# KiCad board main.kicad_pcb (continued)
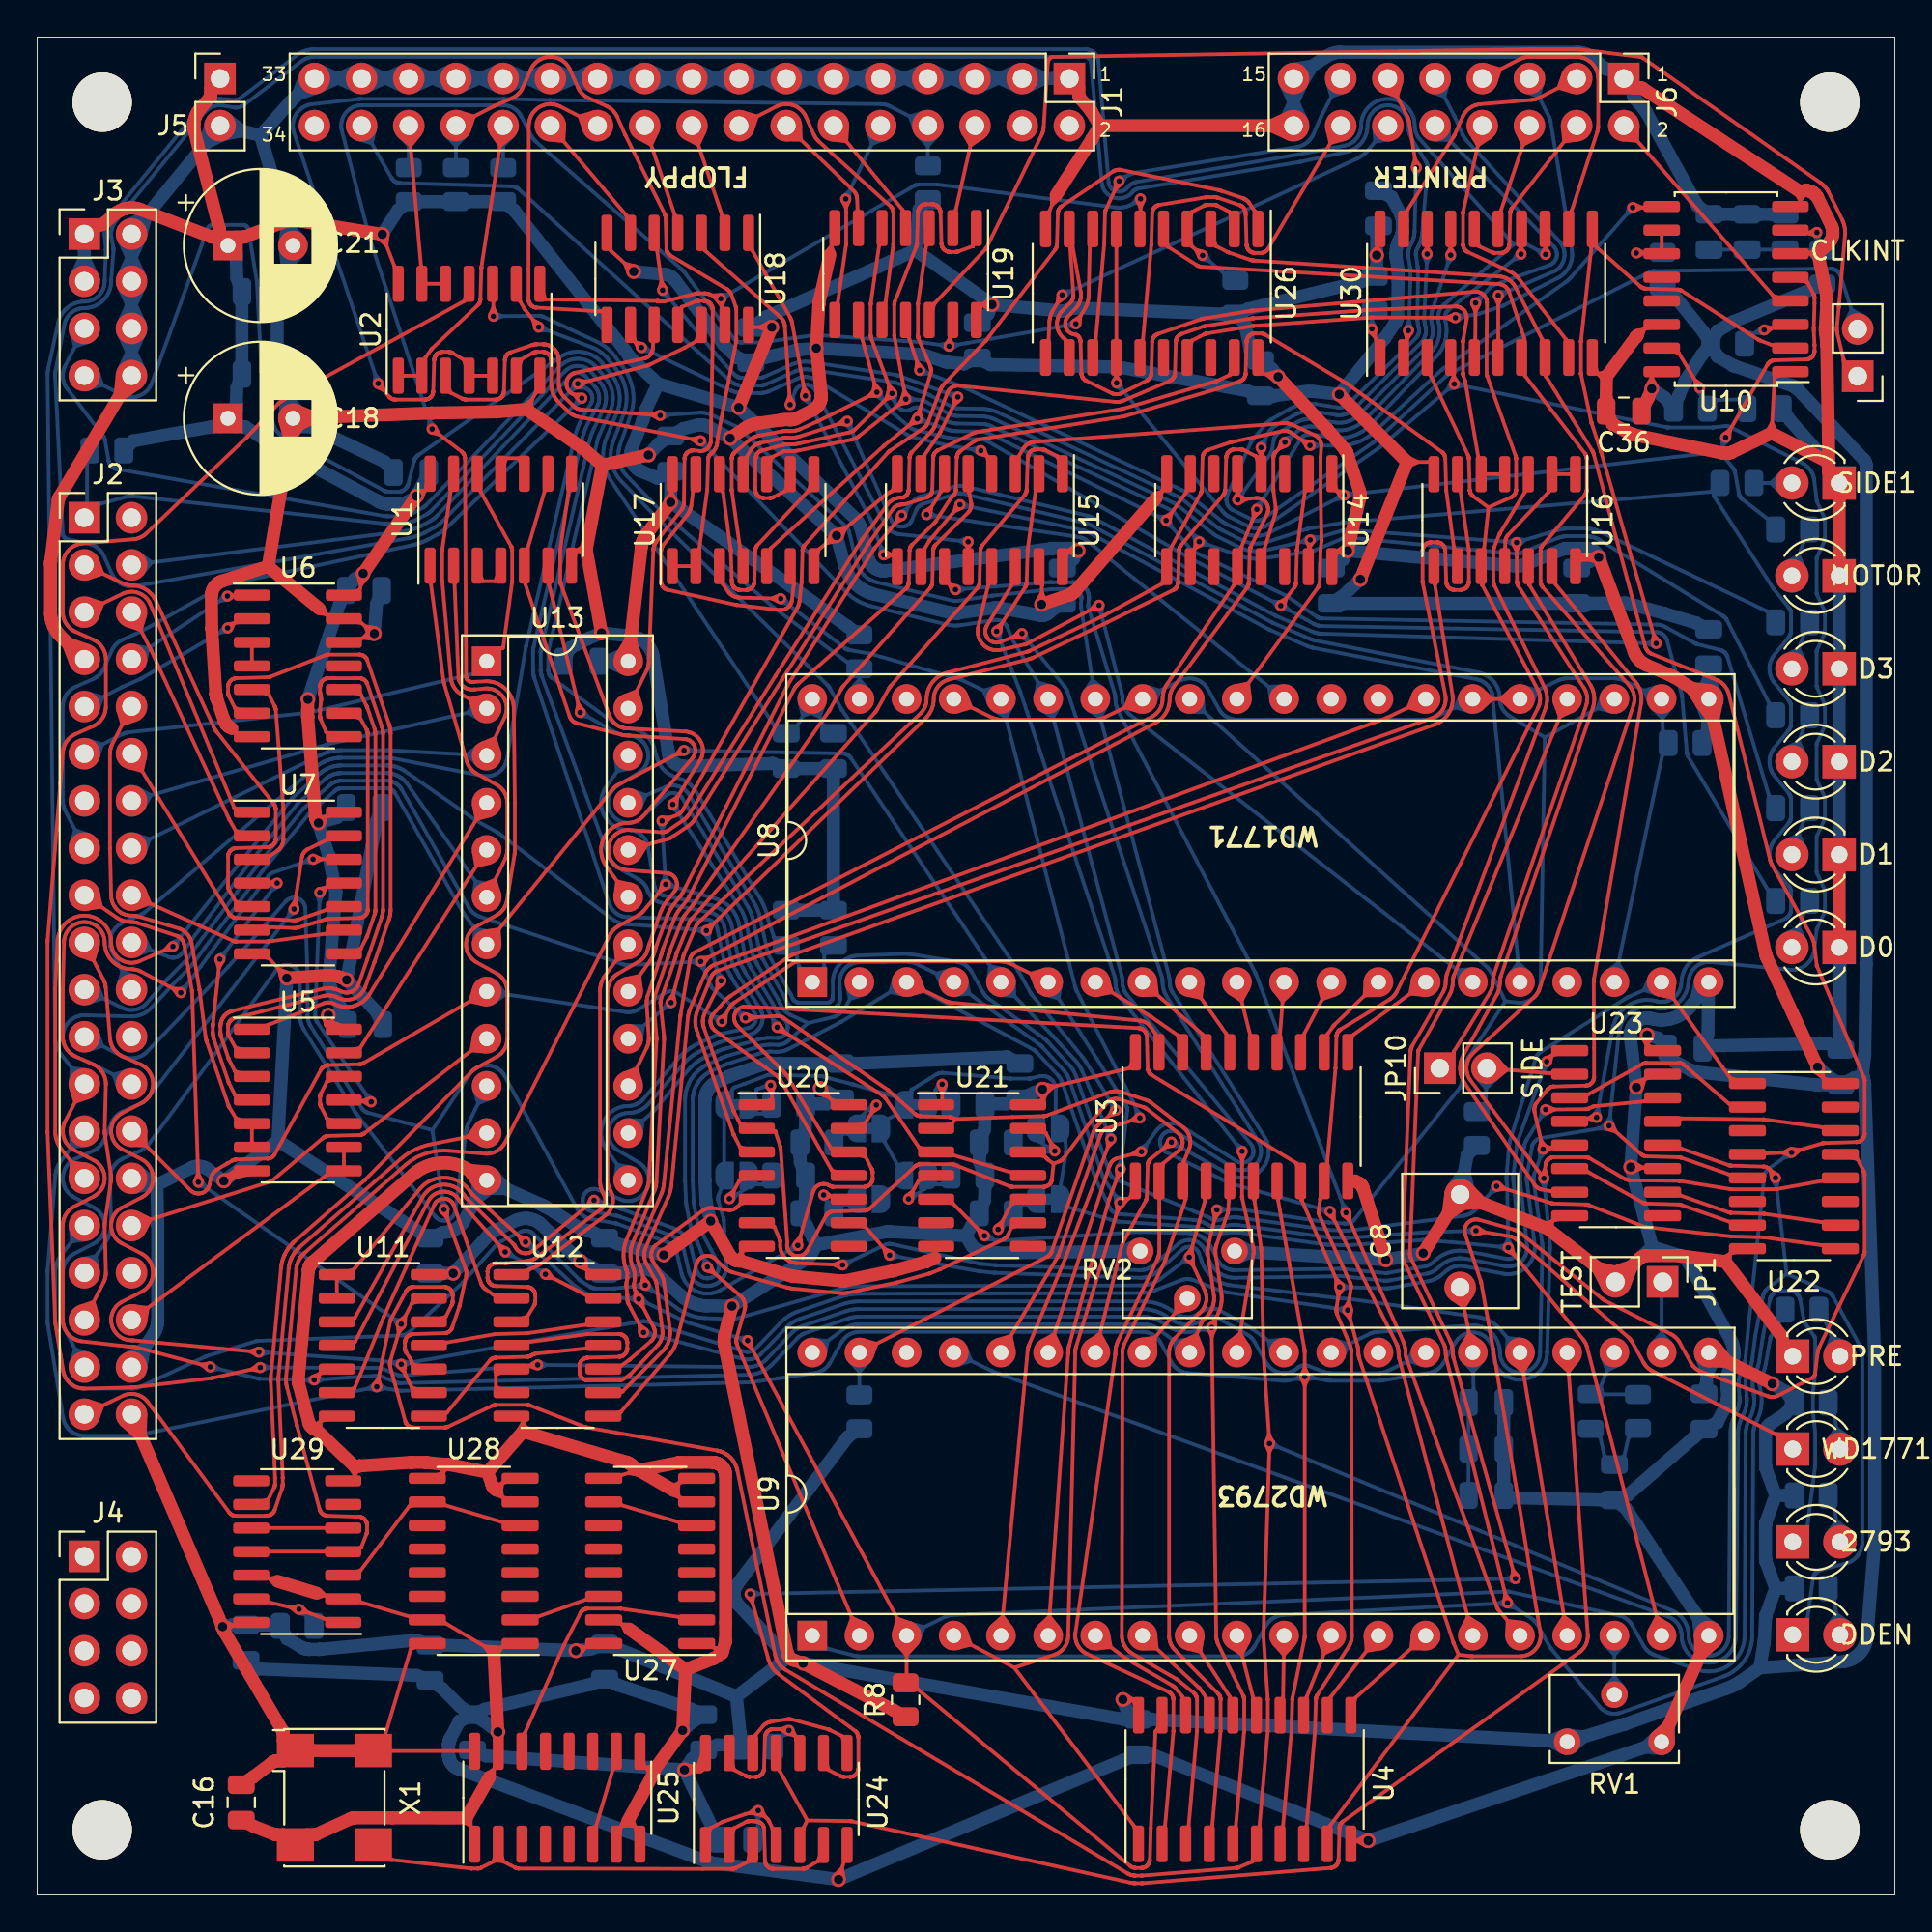
[diagram p0: board, top side]
## Routing (per net, layer and track width the routed paths; a pad name or vN(x,y) marks a point on that pad's centre or on a via; arc(x,y) is an arc through that point) (continued)
Net-(U12-Pad4): length 79.4
  Top w0.2: 31.68,29.15 31.7,29.18 31.71,29.2 31.72,29.22 31.73,29.25 31.74,29.28 31.75,29.29 31.76,29.33 31.76,29.35 31.76,29.37 31.77,29.42 31.77,29.43 31.77,29.73 31.77,29.75 31.76,29.79 31.76,29.81 31.75,29.83 31.74,29.87 31.74,29.89 31.73,29.91 31.71,29.94 31.7,29.96 31.69,29.98 31.67,30.01 31.65,30.03 31.64,30.04 31.62,30.07 31.6,30.08 31.56,30.11 31.54,30.12 31.51,30.14 31.48,30.15 31.45,30.16 31.44,30.17 31.4,30.18 31.38,30.18 31.33,30.19 31.31,30.19 29.66,30.19 29.63,30.19 29.59,30.18 26.5,29.77 26.5,29.76 U12.4 ; U8.27 72.69,63.38 72.65,63.36 72.63,63.35 72.61,63.34 72.58,63.33 36.49,50.08 36.44,50.07 36.4,50.05 36.36,50.02 36.32,50 36.28,49.97 36.24,49.95 36.2,49.92 36.17,49.88 36.13,49.85 36.1,49.81 36.07,49.78 36.04,49.74 36.02,49.7 35.99,49.66 35.97,49.62 35.95,49.57 35.16,47.74 35.14,47.67 35.11,47.61 35.09,47.54 35.07,47.47 35.06,47.4 35.04,47.33 35.03,47.26 35.02,47.19 34.15,38.24 34.13,38.14 34.12,38.05 34.1,37.96 34.08,37.87 34.05,37.78 34.02,37.69 33.99,37.6 33.95,37.51 32.77,34.87 32.75,34.82 32.73,34.77 32.72,34.71 32.7,34.66 32.69,34.6 32.69,34.54 32.68,34.49 32.68,34.43 32.68,34.37 32.69,34.32 32.7,34.26 32.71,34.2 32.72,34.15 32.74,34.1 32.76,34.04 32.79,33.99 32.81,33.94 33.27,33.11 33.28,33.09 33.29,33.07 33.3,33.04 33.31,33.02 33.32,33 33.33,32.97 33.33,32.95 33.34,32.92 33.34,32.89 33.66,30.4 33.66,30.35 33.66,30.29 33.66,30.24 33.66,30.19 33.65,30.14 33.65,30.09 33.64,30.03 33.62,29.98 33.61,29.93 33.59,29.88 33.57,29.84 33.54,29.79 33.52,29.74 33.49,29.7 33.46,29.66 33.42,29.61 33.39,29.58 31.95,28.04 31.93,28.02 31.92,28 31.9,27.99 31.88,27.97 31.86,27.96 31.84,27.95 31.82,27.93 31.8,27.92 31.54,27.76 31.51,27.74 31.48,27.73 31.46,27.72 31.44,27.71 31.4,27.71 31.38,27.7 31.36,27.7 31.32,27.7 31.31,27.7 29.66,27.7 29.63,27.7 29.59,27.7 29.57,27.7 29.55,27.71 29.52,27.72 29.49,27.73 29.47,27.73 29.44,27.75 29.42,27.76 29.4,27.77 29.37,27.79 29.35,27.81 29.34,27.82 29.32,27.85 29.3,27.87 29.27,27.9 29.26,27.93 29.24,27.95 29.23,27.98 29.22,28.01 29.21,28.02 29.21,28.06 29.2,28.08 29.2,28.14 29.2,28.16 29.2,28.46 29.2,28.48 29.2,28.52 29.2,28.55 29.21,28.56 29.22,28.6 29.23,28.62 29.24,28.66 29.26,28.69 29.27,28.71 29.29,28.74 29.31,28.76 29.33,28.78 29.35,28.8 29.37,28.82 29.41,28.85 29.43,28.86 29.47,28.88 29.5,28.89 29.52,28.9 29.56,28.91 29.58,28.91 29.64,28.92 29.65,28.92 31.32,28.97 31.33,28.97 31.37,28.97 31.39,28.97 31.41,28.98 31.45,28.99 31.47,29 31.49,29 31.52,29.02 31.54,29.03 31.56,29.04 31.59,29.06 31.61,29.08 31.62,29.09 31.65,29.12 31.66,29.14 31.68,29.15 ; 74.09,64.63 73.81,63.92 74.54,63.7
Net-(U12-Pad5): length 160.1
  Top w0.2: U2.11 22.99,85.79 22.99,85.79 13.24,80.46 13.2,80.44 13.16,80.41 13.13,80.39 13.09,80.36 13.06,80.34 13.02,80.31 12.99,80.28 12.96,80.25 ; v2(12.01,28.39) 9.45,27.82 9.41,27.82 9.39,27.81 5.21,27.32 5.18,27.32 5.16,27.32 5.13,27.31 5.11,27.31 5.04,27.31 2.57,27.25 2.5,27.25 2.44,27.25 2.37,27.26 2.3,27.27 2.24,27.29 2.18,27.31 2.11,27.33 2.05,27.36 1.99,27.39 1.94,27.42 1.88,27.46 1.83,27.5 1.77,27.54 1.73,27.58 1.68,27.63 1.64,27.68 1.6,27.73 1.56,27.79 1.53,27.85 1.49,27.91 1.47,27.97 1.44,28.03 1.42,28.09 1.41,28.16 1.4,28.22 0.99,30.7 0.98,30.73 0.98,30.77 0.98,30.81 0.97,30.85 0.97,30.89 0.56,41.03 0.56,41.07 0.56,41.11 0.56,51.27 0.56,51.3 0.56,51.33 0.56,51.37 0.56,51.4 0.57,51.43 1.38,61.52 1.39,61.59 1.4,61.65 1.41,61.71 1.43,61.77 1.45,61.83 1.47,61.88 1.5,61.94 1.53,62 1.56,62.05 1.59,62.1 1.63,62.15 1.67,62.2 1.71,62.24 1.76,62.29 1.8,62.33 1.85,62.37 1.9,62.4 1.96,62.43 2.01,62.46 2.07,62.49 3.01,62.91 3.07,62.94 3.13,62.97 3.18,63 3.23,63.04 3.28,63.08 3.33,63.12 3.37,63.16 3.42,63.21 3.46,63.26 3.5,63.31 3.53,63.37 3.56,63.42 3.59,63.48 3.62,63.54 3.64,63.6 3.66,63.66 3.67,63.72 3.68,63.78 3.69,63.84 3.7,63.91 3.7,63.97 3.7,66.51 3.7,66.57 3.69,66.64 3.68,66.7 3.67,66.76 3.66,66.82 3.64,66.88 3.62,66.94 3.59,67 3.56,67.06 3.53,67.11 3.5,67.17 3.46,67.22 3.42,67.27 3.37,67.32 3.33,67.36 3.28,67.4 3.23,67.44 3.18,67.48 3.13,67.51 3.07,67.54 3.01,67.57 2.07,67.99 2.01,68.02 1.95,68.05 1.9,68.08 1.85,68.12 1.8,68.16 1.75,68.2 1.71,68.24 1.66,68.29 1.62,68.34 1.58,68.39 1.55,68.45 1.52,68.5 1.49,68.56 1.46,68.62 1.44,68.68 1.42,68.74 1.41,68.8 1.4,68.86 1.39,68.92 1.38,68.99 1.38,69.05 1.38,71.59 1.38,71.66 1.39,71.72 1.4,71.79 1.41,71.85 1.43,71.92 1.45,71.98 1.47,72.04 1.5,72.1 1.53,72.16 1.56,72.22 1.6,72.27 1.64,72.33 1.69,72.38 1.73,72.42 1.78,72.47 1.83,72.51 1.89,72.55 1.94,72.58 2,72.62 2.06,72.65 2.12,72.67 2.18,72.69 2.25,72.71 2.31,72.73 2.38,72.74 2.44,72.75 5.18,72.97 5.23,72.98 5.29,72.99 5.34,73 5.4,73.01 5.45,73.03 5.5,73.05 5.56,73.07 5.61,73.1 5.66,73.12 5.71,73.15 5.75,73.18 5.8,73.22 5.84,73.25 5.88,73.29 11.28,78.46 11.3,78.47 12.96,80.25 ; 26.51,28.47 U12.5 24.69,28.01 24.69,27.34 U12.6 ; 26.51,28.47 26.88,28.34 ; 26.51,28.47 v2(26.94,28.53) ; 26.51,28.47 26.83,28.69 ; 11.96,28.19 11.54,28.28 11.89,28.55
  Bottom w0.2: 12.09,28.57 12.49,28.39 12.09,28.21 ; 26.84,28.71 26.46,28.49 26.87,28.34 ; U9.27 72.69,28.2 72.64,28.18 72.59,28.16 72.55,28.14 72.5,28.13 72.45,28.11 72.4,28.1 72.35,28.1 72.3,28.09 72.25,28.09 72.2,28.08 69.66,28.08 69.62,28.09 69.57,28.09 69.53,28.09 69.49,28.1 69.44,28.11 69.4,28.12 69.36,28.13 69.31,28.14 69.27,28.16 68.45,28.46 68.42,28.47 68.39,28.48 68.35,28.49 68.32,28.5 68.29,28.5 68.26,28.5 68.23,28.5 68.19,28.5 68.16,28.5 68.13,28.49 68.1,28.49 68.07,28.48 68.04,28.47 68.01,28.46 67.98,28.44 67.95,28.43 67.92,28.41 67.89,28.4 67.87,28.38 67.79,28.32 67.74,28.28 67.68,28.24 67.63,28.21 67.57,28.18 67.51,28.16 67.44,28.14 67.38,28.12 67.32,28.11 67.25,28.1 67.19,28.09 67.12,28.09 67.06,28.09 66.99,28.1 66.93,28.11 66.87,28.12 66.8,28.14 66.74,28.16 66.68,28.18 66.62,28.21 66.56,28.24 66.51,28.28 66.46,28.31 66.41,28.35 66.36,28.4 66.31,28.44 66.27,28.49 66.23,28.54 66.19,28.6 66.16,28.65 65.55,29.74 65.52,29.78 65.5,29.82 65.47,29.86 65.44,29.9 65.4,29.94 65.37,29.98 65.33,30.01 65.29,30.05 65.26,30.08 65.21,30.11 65.17,30.13 65.13,30.16 63.53,31.07 63.5,31.09 63.47,31.1 63.44,31.11 63.41,31.12 63.37,31.13 63.34,31.14 63.31,31.14 63.28,31.15 63.24,31.15 63.21,31.15 63.18,31.15 63.15,31.14 63.11,31.14 63.08,31.13 63.05,31.12 63.02,31.11 62.99,31.1 62.96,31.09 62.93,31.07 62.9,31.06 62.67,30.91 62.6,30.87 62.53,30.83 62.46,30.8 62.38,30.77 62.3,30.75 62.23,30.73 62.15,30.71 62.07,30.7 61.99,30.7 61.91,30.69 61.83,30.7 61.75,30.7 61.67,30.72 61.59,30.73 61.51,30.75 61.43,30.78 61.36,30.81 61.29,30.84 61.21,30.88 61.15,30.92 60.77,31.16 60.67,31.22 60.58,31.27 60.48,31.32 60.37,31.37 60.27,31.41 60.16,31.44 60.05,31.47 59.95,31.49 59.84,31.51 59.72,31.52 59.61,31.53 59.5,31.54 44.26,31.54 44.17,31.53 44.07,31.53 43.97,31.52 43.88,31.5 43.78,31.49 43.69,31.46 43.6,31.44 43.51,31.41 41.23,30.63 41.17,30.61 41.11,30.59 41.05,30.56 40.99,30.53 40.93,30.49 40.88,30.46 40.82,30.42 40.77,30.38 40.72,30.34 40.67,30.3 40.63,30.25 39.28,28.85 39.22,28.79 39.17,28.75 39.11,28.7 39.05,28.66 38.99,28.62 38.93,28.58 38.86,28.55 38.8,28.52 38.73,28.49 38.66,28.47 38.59,28.45 38.52,28.43 38.45,28.42 38.38,28.41 38.3,28.41 38.23,28.41 v2(26.94,28.53) 19.65,27.96 19.62,27.96 19.6,27.96 19.57,27.96 19.54,27.96 19.52,27.96 19.49,27.96 19.47,27.97 19.44,27.98 19.42,27.98 19.39,27.99 19.37,28 18.67,28.29 18.63,28.31 18.59,28.32 18.55,28.33 18.5,28.34 18.46,28.35 18.42,28.36 18.37,28.36 18.33,28.37 18.28,28.37 v2(12.01,28.39) ; 74.09,29.45 73.81,28.74 74.54,28.52 ; 27.02,28.35 27.42,28.53 27.03,28.71
Net-(U12-Pad8): length 29.5
  Top w0.2: U12.8 31.43,26 31.43,26.01 34.05,29.08 34.1,29.15 34.15,29.21 34.19,29.28 34.24,29.35 34.28,29.43 34.31,29.5 34.35,29.58 34.38,29.66 34.4,29.73 34.43,29.81 35.49,33.95 35.5,33.98 35.51,34.02 35.52,34.05 35.54,34.08 35.56,34.12 35.58,34.15 35.6,34.18 35.62,34.2 35.65,34.23 35.67,34.25 35.7,34.28 35.73,34.3 35.76,34.32 35.8,34.34 35.83,34.35 35.86,34.37 35.9,34.38 35.93,34.39 35.97,34.4 36,34.4 36.04,34.4 36.08,34.41 36.11,34.4 36.15,34.4 36.19,34.4 36.22,34.39 36.26,34.38 36.29,34.37 36.32,34.35 36.36,34.34 36.39,34.32 36.42,34.3 36.45,34.28 36.48,34.26 36.51,34.23 36.93,33.81 36.95,33.79 36.98,33.77 37.01,33.74 37.04,33.72 37.07,33.7 37.1,33.67 37.15,33.64 37.19,33.62 37.23,33.59 37.28,33.57 37.32,33.55 37.37,33.53 37.42,33.52 37.46,33.5 40.32,32.71 40.38,32.69 40.45,32.67 40.52,32.66 40.59,32.65 40.66,32.64 40.72,32.63 43.21,32.39 43.27,32.39 43.33,32.39 43.39,32.39 43.44,32.39 43.5,32.39 43.56,32.4 43.61,32.41 43.67,32.42 46.2,32.94 46.24,32.95 46.29,32.97 47.99,33.43 48.02,33.44 48.04,33.45 48.07,33.46 48.09,33.47 48.12,33.48 48.57,33.66 48.61,33.67 51.99,35.27 52.02,35.28 52.04,35.3 52.07,35.32 52.1,35.33 52.12,35.35 52.14,35.37 52.17,35.4 52.19,35.42 52.21,35.44 52.23,35.47 52.25,35.5 52.26,35.52 52.28,35.55 52.29,35.58 52.43,35.9 52.43,35.91 U21.9
Net-(U12-Pad9): length 16.4
  Top w0.2: U20.5 37.83,37.18 37.83,37.18 37.71,37.05 37.68,37.03 37.66,37 37.63,36.98 37.6,36.96 37.58,36.95 37.55,36.93 37.52,36.92 37.48,36.9 37.45,36.89 37.42,36.88 37.39,36.87 37.36,36.87 37.32,36.86 37.29,36.86 37.26,36.86 37.22,36.86 37.19,36.87 36.35,36.97 36.31,36.98 36.27,36.98 36.24,36.98 36.2,36.98 36.17,36.97 36.13,36.97 36.09,36.96 36.06,36.95 36.03,36.94 35.99,36.93 35.96,36.91 35.93,36.9 35.89,36.88 35.86,36.86 35.83,36.84 33.33,34.99 33.3,34.96 33.27,34.94 33.24,34.91 33.22,34.88 33.19,34.85 33.17,34.82 33.15,34.79 33.13,34.76 33.11,34.72 33.1,34.69 33.09,34.65 33.08,34.61 33.07,34.58 33.06,34.54 33.06,34.5 33.05,34.46 33.05,34.42 33.06,34.38 33.06,34.35 33.07,34.31 33.08,34.27 33.09,34.23 33.1,34.2 33.12,34.16 33.13,34.13 33.15,34.1 33.61,33.35 33.63,33.31 33.65,33.27 33.67,33.23 33.68,33.19 33.7,33.15 33.71,33.11 33.72,33.07 33.73,33.03 33.74,32.99 33.75,32.95 34.06,30.45 34.07,30.38 34.07,30.3 34.07,30.22 34.07,30.15 34.06,30.07 34.05,30 34.03,29.92 34.01,29.85 33.98,29.78 33.96,29.71 33.92,29.64 33.89,29.57 33.85,29.5 33.81,29.44 33.76,29.38 33.71,29.32 33.66,29.27 31.53,27.12 31.51,27.1 31.49,27.09 31.47,27.09 31.46,27.09 31.36,27.09 U12.9
Net-(U13-Pad23): length 27.8
  Top w0.2: 31.56,64.52 32.27,64.8 32.49,64.06 ; U13.23 32.81,65.92 32.83,65.96 32.85,66 32.87,66.05 32.88,66.09 32.89,66.14 32.9,66.18 32.91,66.22 32.92,66.27 32.92,66.32 32.93,66.36 33.17,72.38 33.17,72.43 33.18,72.46 33.18,72.48 33.18,72.5 33.19,72.52 33.19,72.54 33.2,72.59 33.21,72.61 33.21,72.63 33.22,72.65 33.23,72.67 33.24,72.68 33.26,72.73 33.27,72.75 33.28,72.77 33.29,72.79 33.3,72.8 33.31,72.82 33.34,72.86 33.36,72.9 34.66,74.52 34.68,74.55 34.7,74.58 34.72,74.61 34.74,74.64 34.75,74.67 34.77,74.71 34.78,74.74 34.79,74.77 34.8,74.81 34.81,74.84 34.81,74.88 34.81,74.92 34.82,74.95 34.85,77.3 34.85,77.34 34.85,77.37 34.86,77.4 34.87,77.44 34.88,77.47 34.9,77.51 ; U18.11 34.7,85.47 34.7,85.48 35.44,85.77 35.46,85.78 35.51,85.79 35.53,85.79 35.58,85.8 35.6,85.8 35.9,85.8 35.93,85.8 35.97,85.79 35.99,85.79 36.01,85.79 36.04,85.78 36.07,85.77 36.11,85.75 36.13,85.74 36.16,85.72 36.19,85.7 36.21,85.68 36.22,85.67 36.24,85.65 36.26,85.62 36.28,85.61 36.3,85.57 36.31,85.55 36.33,85.52 36.34,85.5 36.34,85.47 36.35,85.44 36.36,85.41 36.36,85.39 36.36,85.35 36.36,85.34 36.36,83.69 36.36,83.68 36.26,78.26 36.26,78.23 36.26,78.2 36.25,78.17 36.25,78.13 36.24,78.1 36.23,78.07 36.21,78.04 36.2,78.01 36.18,77.98 36.16,77.96 36.15,77.93 36.12,77.91 36.1,77.88 36.08,77.86 36.05,77.84 36.03,77.82 36,77.8 35.97,77.79 35.94,77.77 35.91,77.76 35.88,77.75 35.85,77.74 35.82,77.73 35.79,77.73 35.75,77.72 35.72,77.72 35.69,77.72 35.66,77.72 35.34,77.76 35.32,77.76 35.29,77.76 35.25,77.76 35.22,77.75 35.2,77.75 35.17,77.74 35.14,77.73 35.1,77.71 35.08,77.7 35.06,77.69 35.03,77.66 35.01,77.65 34.98,77.62 34.96,77.6 34.95,77.58 34.92,77.55 34.91,77.52 34.9,77.51
Net-(U15-Pad2): length 56.4
  Top w0.2: v2(51.65,68.02) 53.2,70.41 53.21,70.43 53.23,70.48 53.24,70.5 53.25,70.52 53.26,70.55 53.26,70.58 53.26,70.6 53.27,70.64 53.31,72.36 53.32,72.42 53.74,75.5 U15.2 ; 64.68,39.94 64.86,39.55 65.05,39.94 ; 64.15,29.75 64.75,30.22 65.17,29.57 ; v2(64.87,40.03) 64.86,39.27 64.86,37.59 64.86,37.57 64.86,37.53 64.87,37.51 64.87,37.5 65.46,34.88 65.47,34.84 65.48,34.79 65.48,34.75 65.48,34.71 65.49,34.66 65.48,34.62 65.48,34.57 65.48,34.53 65.47,34.49 U9.31 ; 51.85,67.99 51.91,68.42 51.54,68.19
  Bottom w0.2: 64.67,39.98 64.57,40.4 64.96,40.2 ; 51.85,68.01 51.82,67.57 51.51,67.87 ; v2(51.65,68.02) 52.92,64.78 52.93,64.74 52.94,64.72 57.99,49.47 58,49.43 58.01,49.39 58.02,49.35 58.03,49.31 58.03,49.26 58.04,49.22 58.04,49.18 58.04,49.13 58.04,49.06 58.05,48.99 58.06,48.92 58.07,48.86 58.08,48.79 58.1,48.72 58.12,48.65 58.15,48.59 58.18,48.52 58.21,48.46 58.24,48.4 58.28,48.34 58.32,48.28 58.36,48.23 v2(64.87,40.03)
Net-(U15-Pad3): length 34.7
  Top w0.2: 65.28,64.45 65.19,65.22 64.44,65.06 ; 68.77,78.58 68.8,78.56 68.83,78.54 68.86,78.53 68.89,78.51 68.91,78.49 68.94,78.46 68.96,78.44 68.98,78.41 69,78.39 69.02,78.36 69.04,78.33 69.06,78.3 69.07,78.27 69.08,78.24 69.1,78.21 69.11,78.18 69.11,78.15 69.12,78.11 69.12,78.08 69.13,78.05 69.13,78.01 69.13,77.98 69.08,77.37 69.08,77.35 69.08,75.65 69.08,75.64 69.14,72.95 69.14,72.92 69.13,72.89 69.13,72.88 69.09,72.41 69.08,72.36 69.04,70.64 69.03,70.62 69.03,70.59 69.03,70.56 69.02,70.54 69.01,70.51 69,70.48 69,70.47 68.98,70.44 68.97,70.41 68.96,70.4 68.94,70.37 U8.31 ; U15.3 52.87,77.49 53.08,77.84 53.1,77.87 53.11,77.9 53.13,77.93 53.16,77.95 53.18,77.98 53.2,78 53.23,78.02 53.25,78.04 53.28,78.06 53.31,78.08 53.33,78.1 53.36,78.12 53.39,78.13 53.42,78.15 53.44,78.15 53.46,78.16 53.48,78.17 53.5,78.18 53.52,78.18 53.56,78.19 53.58,78.2 53.6,78.2 53.62,78.21 53.64,78.21 53.66,78.21 53.72,78.22 67.09,79.21 67.14,79.22 67.18,79.22 67.23,79.21 67.28,79.21 67.32,79.2 67.37,79.19 67.42,79.18 67.46,79.17 67.51,79.16 67.55,79.14 67.59,79.12 68.77,78.58
Net-(U15-Pad4): length 26.1
  Top w0.2: 51.13,77.46 50.98,77.82 ; 51.13,77.46 50.75,77.55 ; 51.13,77.46 U15.4 ; 51.13,77.46 v2(50.8,77.75) ; 32.2,83.58 32.58,83.49 ; 32.2,83.58 32.35,83.22 ; 32.2,83.58 U18.9 ; 32.2,83.58 v2(32.53,83.29)
  Bottom w0.2: 32.53,83.09 32.97,83.09 32.69,83.42 ; v2(32.53,83.29) 37.33,80.99 37.38,80.96 37.41,80.95 37.44,80.94 37.47,80.93 37.5,80.92 37.54,80.91 37.57,80.9 37.61,80.89 37.64,80.88 37.67,80.87 37.7,80.86 37.74,80.86 37.77,80.85 37.8,80.85 37.86,80.85 37.9,80.84 37.95,80.84 38.9,80.84 38.94,80.84 38.98,80.85 39.04,80.85 39.07,80.85 39.1,80.86 39.14,80.86 39.17,80.87 39.2,80.88 39.23,80.89 39.27,80.9 39.3,80.9 39.33,80.91 39.36,80.92 39.39,80.93 39.41,80.94 39.44,80.96 40.94,81.62 40.99,81.64 41.04,81.66 41.09,81.68 41.15,81.69 41.2,81.7 41.26,81.71 41.31,81.71 41.36,81.71 41.42,81.71 41.47,81.7 41.53,81.7 41.58,81.69 41.63,81.67 41.68,81.66 41.73,81.64 41.78,81.62 41.83,81.59 41.88,81.57 46.85,78.59 46.89,78.57 46.92,78.55 46.96,78.53 46.99,78.52 47.03,78.5 47.07,78.49 47.1,78.48 47.14,78.47 48.95,78.04 48.99,78.03 49.03,78.02 49.07,78.01 49.11,78.01 49.15,78 ; 50.69,77.58 50.32,77.82 50.74,77.94 ; v2(50.8,77.75) 49.16,78
Net-(U15-Pad5): length 92.3
  Top w0.2: 48.09,70.38 48.11,70.4 48.13,70.43 48.14,70.44 48.15,70.48 48.16,70.5 48.17,70.52 48.18,70.55 48.18,70.58 48.18,70.6 48.19,70.64 48.23,72.36 48.24,72.4 48.24,72.43 48.25,72.46 48.26,72.49 48.27,72.52 48.28,72.56 48.3,72.58 48.31,72.6 48.33,72.63 48.35,72.65 48.37,72.68 50.11,74.4 50.13,74.43 50.15,74.45 50.17,74.48 50.19,74.51 50.21,74.54 50.22,74.57 50.24,74.6 50.25,74.63 50.26,74.66 50.27,74.69 50.28,74.72 50.28,74.76 50.28,74.79 50.29,74.82 50.29,74.86 50.28,74.89 50.28,74.92 50.27,74.96 50.17,75.48 50.17,75.5 50.17,75.6 U15.5 ; 32.44,30.26 32.42,30.7 32.77,30.43 ; v2(32.64,30.27) 31.84,31.79 31.83,31.81 31.82,31.84 31.81,31.86 31.8,31.89 31.79,31.92 31.79,31.94 31.78,31.97 31.78,32 31.78,32.03 31.77,32.05 31.77,32.28 31.76,32.33 31.72,32.71 31.72,32.74 31.72,32.78 31.71,32.82 31.72,32.85 31.72,32.89 31.72,32.93 31.73,32.97 31.73,33 31.76,33.16 31.76,33.18 31.77,33.23 31.77,33.24 31.77,33.44 31.77,33.46 31.76,33.48 31.76,33.5 31.75,33.52 31.73,33.62 31.68,33.75 31.65,33.86 31.62,33.96 31.6,34.07 31.58,34.18 31.57,34.29 31.56,34.4 31.56,34.51 31.57,34.62 31.58,34.72 31.6,34.83 31.62,34.94 31.65,35.05 31.68,35.15 31.72,35.25 32.85,38.05 32.86,38.09 32.88,38.14 32.89,38.18 32.9,38.23 32.91,38.27 32.92,38.32 32.92,38.36 32.92,38.41 33.33,46 33.34,46.04 33.34,46.07 33.34,46.11 33.34,46.14 33.33,46.18 33.33,46.21 33.18,47.95 33.18,47.99 33.18,48.03 33.18,48.07 33.18,48.11 33.19,48.15 33.19,48.19 33.2,48.22 33.21,48.26 33.22,48.3 33.23,48.34 33.95,50.44 33.96,50.48 33.98,50.51 33.99,50.55 34,50.59 34.01,50.66 34.02,50.7 34.03,50.73 34.05,50.77 34.06,50.81 34.07,50.85 34.09,50.89 34.7,52.43 34.72,52.48 34.74,52.53 34.76,52.58 34.79,52.62 34.82,52.67 34.85,52.71 34.88,52.76 34.91,52.8 35.27,53.25 35.29,53.27 35.3,53.29 35.32,53.32 35.34,53.34 42.63,63.74 42.64,63.76 42.66,63.78 42.67,63.79 42.68,63.81 42.69,63.83 43.29,64.91 43.31,64.94 43.33,64.97 43.35,65 43.37,65.03 43.39,65.06 43.41,65.08 43.43,65.11 48.07,70.35 48.09,70.37 48.09,70.37
  Bottom w0.2: 32.77,30.43 33.11,30.15 32.68,30.08 ; 67.05,29.89 66.29,29.82 66.43,29.06 ; v2(32.64,30.27) 37.98,28.85 38.04,28.84 38.1,28.83 38.15,28.82 38.21,28.82 38.27,28.82 38.32,28.82 38.38,28.83 38.44,28.84 38.49,28.85 38.55,28.86 38.6,28.88 38.65,28.9 38.71,28.93 38.76,28.95 38.8,28.98 38.85,29.02 38.9,29.05 38.94,29.09 38.98,29.13 40.33,30.53 40.39,30.59 40.45,30.65 40.52,30.7 40.58,30.75 40.65,30.8 40.72,30.85 40.79,30.89 40.87,30.93 40.94,30.96 41.02,30.99 41.1,31.02 43.37,31.8 43.48,31.83 43.59,31.86 43.7,31.89 43.81,31.91 43.92,31.92 44.04,31.94 44.15,31.94 44.26,31.95 59.5,31.95 59.64,31.94 59.77,31.93 59.91,31.92 60.04,31.89 60.18,31.86 60.31,31.82 60.44,31.78 60.56,31.73 60.69,31.68 60.81,31.61 60.93,31.55 61.04,31.47 61.34,31.27 61.39,31.24 61.44,31.21 61.49,31.19 61.55,31.16 61.6,31.14 61.66,31.13 61.72,31.11 61.77,31.11 61.83,31.1 61.89,31.1 61.95,31.1 62,31.1 62.06,31.11 62.12,31.12 62.17,31.13 62.23,31.15 62.29,31.16 62.34,31.19 62.39,31.21 62.44,31.24 62.49,31.27 62.65,31.38 62.7,31.41 62.75,31.44 62.8,31.47 62.85,31.49 62.9,31.51 62.96,31.52 63.01,31.54 63.07,31.55 63.13,31.55 63.18,31.56 63.24,31.56 63.3,31.56 63.35,31.55 63.41,31.54 63.46,31.53 63.52,31.52 63.57,31.5 63.63,31.48 63.68,31.45 63.73,31.43 65.33,30.52 65.36,30.5 65.4,30.48 65.43,30.46 65.46,30.44 65.49,30.41 U9.30
Net-(U15-Pad6): length 28.1
  Top w0.2: v2(47.88,74.3) 48.41,75.13 48.42,75.16 48.63,75.51 U15.6 ; 48.08,74.27 48.14,74.7 47.77,74.47
  Bottom w0.2: v2(47.88,74.3) 55.84,73.13 55.87,73.12 55.9,73.12 56.18,73.06 56.21,73.05 56.24,73.05 56.26,73.04 56.29,73.03 56.32,73.02 56.35,73 56.38,72.99 56.4,72.97 56.43,72.96 56.46,72.94 56.48,72.92 U8.30 ; 47.99,74.47 48.35,74.23 47.94,74.11 ; 67.08,65.07 66.31,65.03 66.43,64.27
Net-(U15-Pad7): length 29.7
  Top w0.2: v2(33.67,86.38) 33.38,88.49 U18.5 ; v2(49.56,80.63) 48.66,78.82 48.64,78.79 48.63,78.76 48.61,78.73 48.59,78.71 48.57,78.68 48.56,78.65 47.77,77.5 47.76,77.49 U15.7 ; 49.69,80.47 49.35,80.2 49.36,80.64 ; 33.84,86.49 33.6,86.85 33.48,86.44
  Bottom w0.2: v2(33.67,86.38) 36.44,83.04 36.47,83.01 36.49,82.98 37.52,81.85 37.53,81.84 37.57,81.81 37.59,81.79 37.61,81.78 37.65,81.75 37.67,81.73 37.69,81.73 37.74,81.7 37.76,81.69 37.78,81.69 ; 49.54,80.83 49.11,80.79 49.42,80.49 ; 33.58,86.2 33.98,86.01 33.86,86.43 ; 37.78,81.69 37.83,81.68 37.86,81.67 37.87,81.67 37.93,81.66 37.95,81.66 38.9,81.66 38.92,81.66 38.98,81.67 39,81.67 39.02,81.68 39.07,81.69 39.09,81.7 39.11,81.7 40.61,82.37 40.69,82.41 40.77,82.44 40.85,82.46 40.94,82.48 41.02,82.5 41.11,82.52 41.2,82.52 41.28,82.53 41.37,82.53 41.46,82.53 41.54,82.52 41.63,82.51 46.16,81.83 46.2,81.82 46.23,81.82 46.26,81.81 46.29,81.8 46.32,81.79 46.35,81.78 48,81.19 48,81.19 v2(49.56,80.63)
Net-(U15-Pad9): length 23.6
  Top w0.2: 46,72.13 46.1,72.13 U15.9 ; 46,72.13 45.66,71.95 ; 46,72.13 v2(45.57,72.13) ; 46,72.13 45.66,72.31 ; 41.16,80.74 41.27,81.16 41.52,80.81 ; U18.1 38.51,88.5 40.52,84.94 40.54,84.9 40.56,84.87 40.57,84.83 40.59,84.79 40.6,84.75 40.62,84.71 40.63,84.67 40.64,84.63 40.65,84.59 v2(41.36,80.69)
  Bottom w0.2: 41.56,80.7 41.58,80.27 41.23,80.53 ; 45.71,72.27 45.41,72.58 45.37,72.15 ; v2(41.36,80.69) 44.82,74.12 44.84,74.08 44.86,74.03 44.88,73.99 44.9,73.95 44.92,73.91 44.93,73.87 v2(45.57,72.13)
Net-(U15-Pad10): length 53.8
  Top w0.2: v2(49.68,74.84) 48.07,72.95 48.06,72.93 48.04,72.91 48.03,72.9 48.02,72.88 48.01,72.86 48,72.84 47.79,72.49 U15.10 ; 49.76,74.65 49.36,74.47 49.48,74.89
  Bottom w0.2: 49.79,75 50.15,74.74 49.72,74.64 ; 80.29,49.65 79.72,50.17 79.26,49.55 ; v2(49.68,74.84) 56.26,73.46 56.3,73.45 56.34,73.44 56.38,73.43 56.42,73.42 56.46,73.4 56.49,73.39 56.53,73.37 56.57,73.35 66.27,68.14 66.29,68.13 66.31,68.11 66.33,68.1 66.36,68.09 66.38,68.08 68.33,67.24 68.37,67.22 68.42,67.21 68.46,67.19 68.51,67.18 68.55,67.16 68.6,67.15 68.67,67.13 68.69,67.13 68.72,67.12 68.75,67.11 68.78,67.11 77.49,65.43 77.55,65.42 77.61,65.4 77.66,65.38 77.72,65.36 77.78,65.33 77.83,65.3 77.89,65.27 77.94,65.23 77.98,65.19 78.03,65.15 78.07,65.11 78.11,65.06 78.15,65.01 78.19,64.96 78.22,64.91 78.25,64.85 78.28,64.8 78.3,64.74 78.32,64.68 78.33,64.62 78.35,64.56 78.35,64.5 78.36,64.44 78.36,64.37 78.36,64.35 78.36,64.32 78.36,64.29 78.37,64.26 78.37,64.23 U8.16
Net-(U15-Pad11): length 74.9
  Top w0.2: v2(49.44,70.26) 49.1,70.54 ; 49.1,70.54 49.48,70.45 ; 49.1,70.54 49.25,70.18 ; 49.1,70.54 U15.11 ; v2(70.45,36.72) 73.54,29.79 73.56,29.73 73.58,29.67 73.6,29.62 73.62,29.56 73.63,29.5 73.64,29.44 73.65,29.38 73.66,29.32 73.66,29.26 73.66,29.15 73.67,29.11 73.67,29.07 73.67,29.03 73.68,28.99 73.69,28.95 73.7,28.91 73.71,28.87 73.73,28.83 78.57,15.51 78.58,15.48 78.59,15.46 78.6,15.44 78.61,15.42 78.62,15.4 78.64,15.38 78.65,15.36 78.66,15.34 78.68,15.32 U9.16 ; 79.92,14.65 79.16,14.75 79.12,13.98 ; 70.65,36.72 70.65,36.29 70.32,36.57
  Bottom w0.2: 49.5,70.44 49.91,70.29 49.53,70.08 ; 65.57,49.65 65.58,49.62 65.59,49.6 65.6,49.58 65.61,49.55 65.62,49.53 v2(70.45,36.72) ; 65.57,49.65 58.21,63.7 58.18,63.75 58.15,63.81 58.13,63.87 58.11,63.93 58.09,63.99 58.08,64.06 58.06,64.12 58.05,64.18 58.05,64.25 58.04,64.31 58.04,64.41 58.04,64.45 58.04,64.49 58.03,64.53 58.02,64.57 58.02,64.61 58.01,64.65 57.99,64.69 ; 58,64.69 56.6,69.25 56.6,69.27 56.59,69.3 56.59,69.32 56.58,69.35 56.58,69.37 56.58,69.4 56.58,69.42 56.58,69.44 56.58,69.47 56.58,69.49 56.61,69.73 56.62,69.75 56.62,69.78 56.62,69.81 56.62,69.84 56.62,69.87 56.62,69.9 56.61,69.93 56.61,69.96 56.6,69.99 56.6,70.02 56.59,70.06 56.58,70.08 56.57,70.1 56.56,70.12 56.56,70.14 56.55,70.16 56.53,70.2 56.52,70.22 56.51,70.24 56.5,70.26 56.49,70.27 56.48,70.29 56.47,70.31 56.44,70.34 56.42,70.37 56.4,70.39 56.38,70.42 56.36,70.44 56.34,70.46 56.32,70.48 56.29,70.5 56.27,70.52 56.25,70.53 56.23,70.55 56.2,70.56 56.17,70.58 56.14,70.6 56.1,70.61 56.07,70.62 56.04,70.63 56,70.64 55.97,70.65 55.94,70.66 55.9,70.66 55.87,70.66 55.83,70.66 55.8,70.66 55.76,70.66 55.74,70.66 55.69,70.65 55.66,70.65 54.71,70.65 54.67,70.65 54.62,70.66 54.58,70.66 54.56,70.66 54.54,70.66 54.52,70.66 54.5,70.66 54.47,70.66 v2(49.44,70.26) ; 70.59,36.87 70.28,37.17 70.25,36.74